# Altium PCB S6.PcbDoc (part 9 of 14)
Units mil, origin at the board's own origin, x right, y up, seen from the top; angles counter-clockwise.
Board outline 5250 x 2929.55 mil, 6 copper layers (Top Layer, Mid-Layer 2, Mid-Layer 4, Mid-Layer 3, Mid-Layer 1, Bottom Layer); 345 components, 365 nets, 2233 pads, 960 vias.
Unrouted connection lines stored in the file: 1.
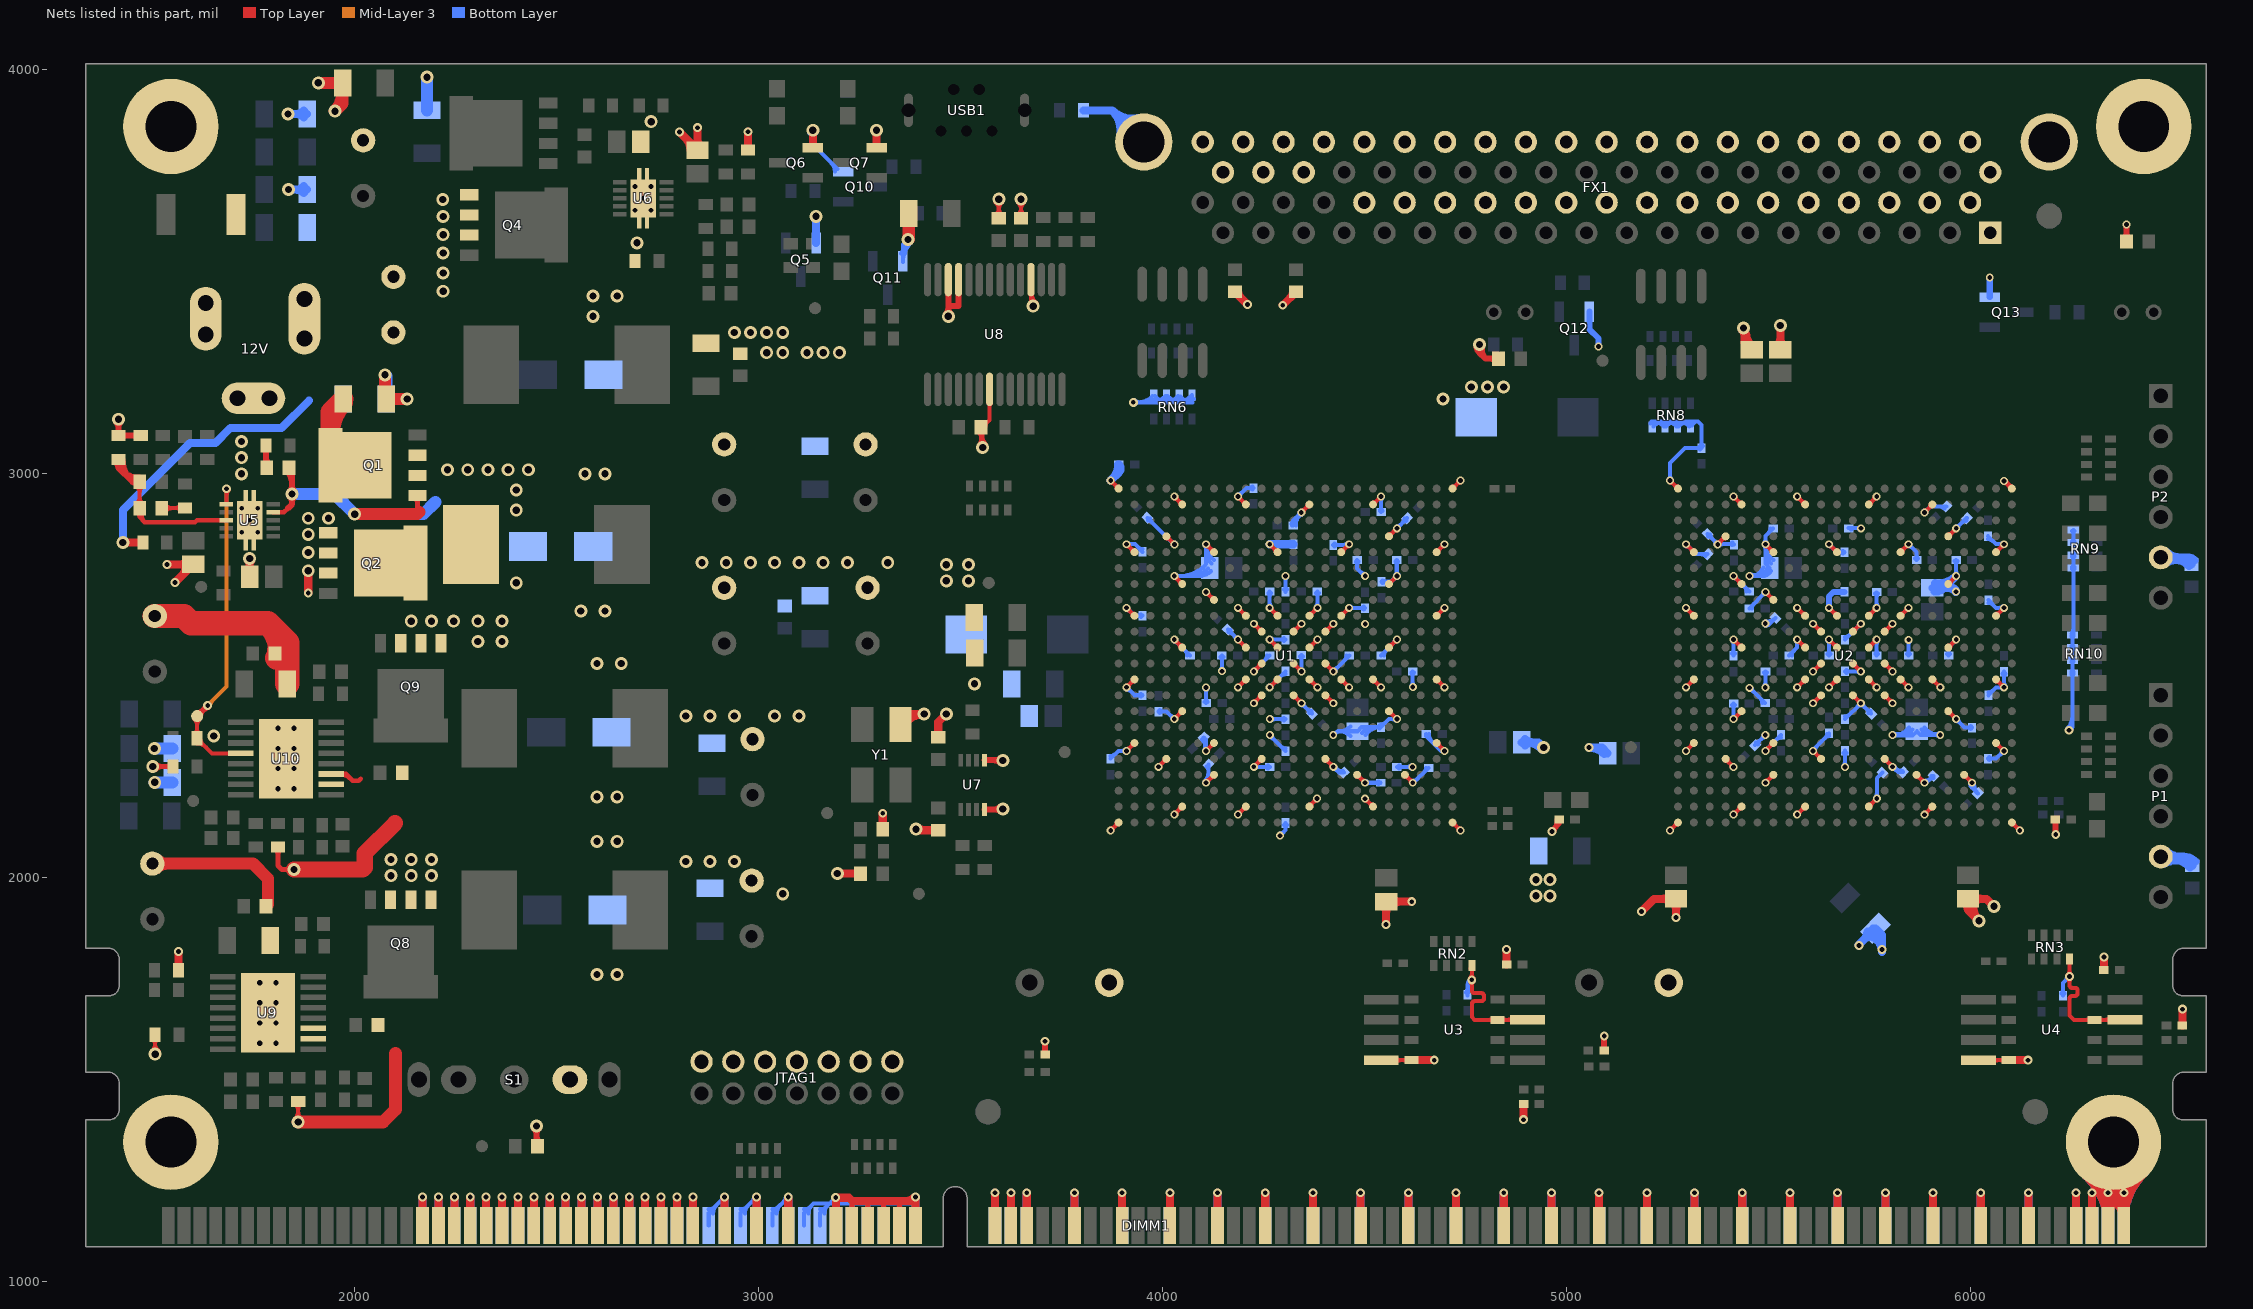
[diagram p13: the nets of this part, all layers, seen from the top]

## Via types
v1: diameter 19.68, hole 11.81, Top Layer to Bottom Layer, tented both sides, 469 vias
v2: diameter 32, hole 18, Top Layer to Bottom Layer, tented both sides, 257 vias
v3: diameter 22, hole 12, Top Layer to Bottom Layer, tented both sides, 185 vias
v4: diameter 25.59, hole 12.99, Top Layer to Bottom Layer, tented bottom, 16 vias
v5: diameter 50, hole 28, Top Layer to Bottom Layer, tented both sides, 15 vias
v6: diameter 23.62, hole 11.81, Top Layer to Bottom Layer, tented bottom, 10 vias
v7: diameter 20, hole 12, Top Layer to Bottom Layer, tented both sides, 5 vias
v8: diameter 21.65, hole 11.81, Top Layer to Bottom Layer, tented both sides, 2 vias
v9: diameter 39.37, hole 39.37, Top Layer to Bottom Layer, 1 vias

## Nets (pads, with @x,y where several pads share a name; then routed paths per layer and width w, separated by ;. In a path a pad name is that pad's centre, name@x,y a point inside that pad or via, vN(x,y) a via of type N, cw(c..) or ccw(c..) an arc to the next point about the centre after c; other vN are vias at no path point) (continued)
GND: (continued)
  Top Layer w40: v2(1850,2020) 2020,2020 2025,2025 2025,2060 2100,2135
  Top Layer w60: C165.2@1505,2647.8 1577.2,2647.8 1595,2630 1785,2630 1833.15,2581.85 ; 1787.66,2627.34 cw(c1717.3,2556.97) C168.1@1816.81,2556.97 ; C168.1@1808.22,2543.89 ccw(c1791.78,2581.85) 1833.15,2581.85 ; C168.1@1812.64,2563.11 cw(c1763.11,2513.59) 1833.15,2513.59 ; C167.1@1833.15,2480 1833.15,2581.85
  Bottom Layer w10: DIMM1.155@2876.72,1138.6 2876.72,1169.68 v3(2916.09,1209.06) ; DIMM1.155@2876.72,1178.87 ccw(c2876.72,1201.06) 2892.41,1185.37 ; DIMM1.155@2887.47,1168.13 cw(c2917.18,1168.13) 2896.17,1189.14 ; v3@2910.09,1209.06 cw(c2895.6,1209.06) 2905.85,1198.81 cw(c2916.09,1188.57) v3@2916.09,1203.06 ; DIMM1.157@2955.46,1138.6 2955.46,1169.68 v3(2994.83,1209.06) ; DIMM1.157@2955.46,1178.87 ccw(c2955.46,1201.06) 2971.15,1185.37 ; DIMM1.157@2966.21,1168.13 cw(c2995.92,1168.13) 2974.91,1189.14 ; v3@2988.83,1209.06 cw(c2974.34,1209.06) 2984.59,1198.81 cw(c2994.83,1188.57) v3@2994.83,1203.06 ; DIMM1.159@3034.2,1138.6 3034.2,1169.68 v3(3073.57,1209.06) ; DIMM1.159@3034.2,1178.87 ccw(c3034.2,1201.06) 3049.89,1185.37 ; DIMM1.159@3044.95,1168.13 cw(c3074.66,1168.13) 3053.65,1189.14 ; v3@3067.57,1209.06 cw(c3053.08,1209.06) 3063.33,1198.81 cw(c3073.57,1188.57) v3@3073.57,1203.06 ; DIMM1.161@3112.94,1138.6 3112.94,1169.68 3136.26,1193 3175.62,1193 ; DIMM1.161@3112.94,1178.87 ccw(c3112.94,1201.06) 3128.63,1185.37 ; DIMM1.161@3123.69,1168.13 cw(c3153.4,1168.13) 3132.39,1189.14 ; v2@3126.56,3842.88 cw(c3107.78,3824.11) 3134.34,3824.11 cw(c3160.89,3824.11) v2@3142.12,3842.88 ; v2(3134.34,3850.66) 3134.34,3815.66 Q10.2@3195.63,3754.37 ; DIMM1.162@3152.31,1138.6 3152.31,1169.68 3175.62,1193 ; DIMM1.162@3152.31,1178.87 ccw(c3152.31,1201.06) 3168,1185.37 ; DIMM1.162@3163.06,1168.13 cw(c3192.77,1168.13) 3171.76,1189.14 ; 3180.17,3769.83 cw(c3158.69,3748.35) Q10.2@3189.07,3748.35 ; 3181.1,1198.1 ccw(c3193.41,1210.41) 3193.41,1193 ; v3@3188.17,1205.17 ccw(c3217.56,1234.56) 3217.56,1193 ; v3@3195.24,1212.24 ccw(c3241.7,1258.7) 3241.7,1193 ; DIMM1.164@3223.7,1175.96 ccw(c3207.76,1192.95) 3231.05,1192.95 ; DIMM1.164@3231.05,1138.6 3231.05,1192.95 ; DIMM1.164@3238.4,1175.96 cw(c3254.34,1192.95) 3231.05,1192.95 ; DIMM1.165@3263.19,1176.08 ccw(c3248.34,1192.42) 3270.42,1192.42 ; DIMM1.165@3270.42,1138.6 3270.42,1192.42 ; DIMM1.165@3277.65,1176.08 cw(c3292.5,1192.42) 3270.42,1192.42 ; DIMM1.166@3302.72,1176.22 ccw(c3289.12,1191.79) 3309.79,1191.79 ; DIMM1.166@3309.79,1138.6 3309.79,1191.79 ; DIMM1.166@3316.86,1176.22 cw(c3330.46,1191.79) 3309.79,1191.79 ; DIMM1.167@3341.99,1176.14 ccw(c3327.66,1192.16) 3349.16,1192.16 ; DIMM1.167@3349.16,1138.6 3349.16,1192.16 ; Q11.2@3352.59,3544.93 ccw(c3340.96,3556.56) 3357.4,3556.56 ccw(c3373.84,3556.56) Q11.2@3362.22,3544.93 ; DIMM1.167@3356.33,1176.14 cw(c3370.66,1192.16) 3349.16,1192.16 ; Q11.2@3357.4,3524.88 cw(c3422.57,3524.88) v2@3377.59,3572.04 ; Q11.2@3357.4,3526.34 3357.4,3567.4 v2(3370,3580) ; Q11.2@3357.4,3548.24 cw(c3400.29,3548.24) v2@3370.69,3579.28 ; 3388.53,1193 3191.68,1193 3175.62,1193 ; C100.1@3872,2294.68 3891.09,2313.78 v1(3911.3,2313.78) ; C100.1@3872,2301.5 ccw(c3872,2317.94) 3883.63,2306.31 ; v1@3907.87,2310.35 ccw(c3899.61,2302.09) 3899.61,2313.78 ccw(c3899.61,2325.47) v1@3907.87,2317.2 ; v1@3911.3,2466.42 cw(c3911.3,2454.73) 3919.56,2462.99 cw(c3927.83,2471.26) v1@3916.14,2471.26 ; v1(3911.3,2471.26) 3930.87,2451.68 C49.1@3951,2451.68 ; v1@3911.3,2663.27 cw(c3911.3,2651.58) 3919.56,2659.84 cw(c3927.83,2668.11) v1@3916.14,2668.11 ; v1(3911.3,2668.11) 3930.72,2648.68 C53.1@3951,2648.68 ; v1(3911.3,2825.59) 3932.09,2825.59 C54.1@3951,2806.68 ; v1@3914.72,2822.17 cw(c3922.99,2813.9) 3922.99,2825.59 cw(c3922.99,2837.28) v1@3914.72,2829.02 ; v3(3928,3177) 4074,3177 ; v3@3932.24,3172.76 cw(c3942.49,3162.51) 3942.49,3177 cw(c3942.49,3191.49) v3@3932.24,3181.24 ; 3939.01,3177 ccw(c3939.01,3229.35) RN6.1@3976.03,3192.33 ; 3939.37,2818.31 ccw(c3951,2829.94) C54.1@3951,2813.5 ; C49.1@3947.58,2448.26 ccw(c3939.31,2439.99) 3939.31,2451.68 ccw(c3939.31,2463.38) C49.1@3947.58,2455.11 ; C53.1@3947.58,2645.26 ccw(c3939.31,2636.99) 3939.31,2648.68 ccw(c3939.31,2660.38) C53.1@3947.58,2652.11 ; C106.1@3962.92,2891.08 4029,2825 v1(4030,2825) ; 3963.15,3177 ccw(c3963.15,3205.21) RN6.1@3983.1,3185.26 ; C106.1@3964.31,2884.85 cw(c3964.31,2873.16) 3972.58,2881.42 cw(c3980.84,2889.69) C106.1@3969.15,2889.69 ; 3970.5,3177 ccw(c3970.5,3229.35) RN6.2@4007.52,3192.33 ; RN6.1@3974.41,3185.26 ccw(c3994.36,3205.21) 3994.36,3177 ; RN6.1@3981.48,3192.33 ccw(c4018.5,3229.35) 4018.5,3177 ; C102.1@3990,2411.32 4010.61,2411.32 v1(4029.41,2392.52) ; C102.1@3993.42,2407.89 cw(c4001.69,2399.62) 4001.69,2411.32 cw(c4001.69,2423.01) C102.1@3993.42,2414.74 ; 3994.65,3177 ccw(c3994.65,3205.21) RN6.2@4014.6,3185.26 ; 4002,3177 ccw(c4002,3229.35) RN6.3@4039.02,3192.33 ; RN6.2@4005.91,3185.26 ccw(c4025.86,3205.21) 4025.86,3177 ; RN6.2@4012.98,3192.33 ccw(c4050,3229.35) 4050,3177 ; 4020.03,2833.97 ccw(c4030,2843.95) v1@4030,2829.84 ; 4022.44,2831.56 cw(c4015.88,2825) v1@4025.16,2825 ; v1@4024.57,2392.52 ccw(c4012.88,2392.52) 4021.14,2400.79 ccw(c4029.41,2409.05) v1@4029.41,2397.36 ; 4026.14,3177 ccw(c4026.14,3205.21) RN6.3@4046.09,3185.26 ; v1@4029.41,2584.53 cw(c4029.41,2573.96) 4036.88,2581.43 ; v1(4029.41,2589.37) 4029.41,2588.91 C98.1@4068.32,2550 ; v1(4029.41,2746.85) C83.1@4097.32,2746.85 ; v1@4032.83,2743.43 cw(c4041.1,2735.16) 4041.1,2746.85 cw(c4041.1,2758.54) v1@4032.83,2750.28 ; 4033.5,3177 ccw(c4033.5,3229.35) RN6.4@4070.52,3192.33 ; v1@4034.25,2589.37 ccw(c4047.06,2589.37) 4038,2580.31 ; RN6.3@4036.77,3186 ccw(c4054.41,3198.78) 4054.41,3177 ; 4042.88,2746.85 ccw(c4042.88,2835.69) C83.1@4105.7,2772.87 ; RN6.3@4044.87,3191.87 ccw(c4074,3212.96) 4074,3177 ; 4056.69,2561.63 cw(c4045.06,2550) C98.1@4061.5,2550 ; 4057.64,3177 ccw(c4057.64,3205.21) RN6.4@4077.59,3185.26 ; 4067.02,2746.85 ccw(c4067.02,2811.54) C83.1@4112.77,2765.8 ; RN6.4@4070.52,3186.88 cw(c4063.93,3180.29) 4073.24,3180.29 cw(c4082.56,3180.29) RN6.4@4075.97,3186.88 ; RN6.4@4073.24,3194.53 4073.24,3177.76 4074,3177 ; 4091.17,2746.85 ccw(c4091.17,2787.4) C83.1@4119.84,2758.73 ; C51.1@4097.57,2342.57 cw(c4072.02,2317.02) v1@4108.15,2317.02 ; C51.1@4102.38,2347.38 4108.15,2341.62 v1(4108.15,2313.78) ; v1@4103.95,2316.2 ccw(c4091.35,2323.48) 4105.41,2327.25 ; v1@4104.72,2238.46 ccw(c4082.54,2260.65) 4113.92,2260.65 ; v1@4104.72,2317.2 ccw(c4096.46,2325.47) 4108.15,2325.47 ccw(c4119.84,2325.47) v1@4111.57,2317.2 ; v1@4104.72,2467.58 cw(c4096.06,2458.91) 4108.32,2458.91 ; v1@4104.72,2822.17 cw(c4096.46,2813.9) 4108.15,2813.9 cw(c4119.84,2813.9) v1@4111.57,2822.17 ; C96.1@4104.89,2435.42 ccw(c4096.62,2443.69) 4108.32,2443.69 ccw(c4120.01,2443.69) C96.1@4111.74,2435.42 ; v1@4105.73,2821.4 cw(c4099.88,2811.28) 4111.17,2814.3 cw(c4122.47,2817.32) v1@4112.34,2823.17 ; v1(4108.15,2235.04) 4113.92,2240.81 C129.1@4113.92,2280.18 ; C83.1@4108.15,2776.32 v1(4108.15,2825.59) ccw(c4157.91,2825.59) C83.1@4127.61,2786.12 ; 4108.15,2805.31 ccw(c4142.34,2805.31) C83.1@4121.52,2778.18 ; C96.1@4108.31,2432 v1@4108.31,2469.68 ; 4108.32,2459.71 cw(c4119.44,2459.71) v1@4111.57,2467.58 ; C129.1@4109.1,2275.36 cw(c4097.47,2263.73) 4113.92,2263.73 ; v1@4143.89,2514.74 ccw(c4135.62,2523.01) 4147.32,2523.01 ccw(c4159.01,2523.01) v1@4150.74,2514.74 ; C90.1@4143.89,2546.58 cw(c4135.62,2538.31) 4147.32,2538.31 cw(c4159.01,2538.31) C90.1@4150.74,2546.58 ; v1(4147.31,2511.32) C90.1@4147.31,2550 ; C97.1@4161.92,2614.08 v1@4186.63,2589.37 ; C97.1@4163.31,2607.85 cw(c4163.31,2596.16) 4171.58,2604.42 cw(c4179.84,2612.69) C97.1@4168.15,2612.69 ; 4178.18,2597.82 ccw(c4186.89,2606.53) v1@4186.89,2594.21 ; 4178.81,2597.19 cw(c4170.98,2589.37) v1@4182.05,2589.37 ; v1(4186.89,2943.7) 4207.87,2964.68 C109.1@4226,2964.68 ; v1@4186.89,2948.54 ccw(c4186.89,2960.24) 4195.16,2951.97 ccw(c4203.42,2943.7) v1@4191.73,2943.7 ; C109.1@4222.58,2961.26 ccw(c4214.31,2952.99) 4214.31,2964.68 ccw(c4214.31,2976.38) C109.1@4222.58,2968.11 ; v1(4226.26,2274.41) C131.1@4265.91,2274.41 ; v1(4226.26,2510.63) 4265.63,2550 C88.1@4265.69,2550 ; v1@4226.26,2515.47 ccw(c4226.26,2527.16) 4234.53,2518.9 ccw(c4242.79,2510.63) v1@4231.1,2510.63 ; v1@4229.68,2270.98 cw(c4237.95,2262.72) 4237.95,2274.41 cw(c4237.95,2286.1) v1@4229.68,2277.83 ; 4251.67,2274.41 cw(c4251.67,2261.32) C131.1@4260.92,2270.58 ; 4253.64,2274.41 ccw(c4253.64,2284.7) C131.1@4260.92,2277.42 ; 4254.1,2538.47 ccw(c4242.56,2550) C88.1@4258.87,2550 ; v1@4262.2,2671.54 ccw(c4253.8,2679.94) 4265.68,2679.94 ; C93.1@4262.26,2704.58 cw(c4253.99,2696.31) 4265.69,2696.31 cw(c4277.38,2696.31) C93.1@4269.11,2704.58 ; v1@4265.31,2392.32 C95.1@4305,2392.32 ; v1(4265.63,2471.26) v1(4265.63,2471.26) C89.1@4305,2510.68 ; v1@4265.63,2476.1 ccw(c4265.63,2487.66) 4273.8,2479.49 ; v1(4265.63,2589.37) 4265.69,2589.32 C86.1@4305,2589.32 ; v1(4265.63,2668.11) 4265.69,2668.17 C93.1@4265.69,2708 ; 4265.68,2679.67 ccw(c4277.18,2679.67) v1@4269.05,2671.54 ; v1@4266,2348.16 cw(c4266,2338.12) 4273.1,2345.22 ; v1@4266.32,2352 C50.1@4305,2313.32 ; v1@4269.05,2585.95 cw(c4277.18,2577.82) 4277.18,2589.32 ; v1@4269.05,2592.8 ccw(c4277.46,2601.2) 4277.46,2589.32 ; v1@4269.42,2389.58 cw(c4276.04,2382.96) 4276.04,2392.32 ; v1@4269.42,2396.42 ccw(c4279.34,2406.34) 4279.34,2392.32 ; v1@4270.47,2471.26 cw(c4282.3,2471.26) 4273.93,2479.62 ; v1@4270.84,2353 ccw(c4284.19,2353) 4274.75,2343.56 ; v1(4291,2104) 4305,2118 C125.1@4305,2135.32 ; v1@4291,2108.84 ccw(c4291,2120.53) 4299.27,2112.27 ccw(c4307.53,2104) v1@4295.84,2104 ; 4293.37,2324.94 ccw(c4305,2336.57) C50.1@4305,2320.13 ; 4293.37,2499.06 cw(c4305,2487.43) C89.1@4305,2503.87 ; C125.1@4301.58,2129.92 cw(c4293.31,2121.66) 4305,2121.66 cw(c4316.69,2121.66) C125.1@4308.42,2129.92 ; C95.1@4301.58,2388.89 ccw(c4293.31,2380.62) 4293.31,2392.32 ccw(c4293.31,2404.01) C95.1@4301.58,2395.74 ; C86.1@4301.58,2585.89 ccw(c4293.31,2577.62) 4293.31,2589.32 ccw(c4293.31,2601.01) C86.1@4301.58,2592.74 ; C94.1@4301.58,2713.08 ccw(c4293.31,2721.34) 4305,2721.34 ccw(c4316.69,2721.34) C94.1@4308.42,2713.08 ; v1@4301.58,2743.58 cw(c4293.31,2735.31) 4305,2735.31 cw(c4316.69,2735.31) v1@4308.42,2743.58 ; C94.1@4305,2707.68 v1(4305,2747) ; C114.1@4320.28,2875.44 ccw(c4311.51,2884.31) 4323.98,2884.31 ; C114.1@4320.5,2872 cw(c4341.81,2872) 4326.74,2887.07 ; C114.1@4323.98,2872.3 4323.98,2884.32 ; 4323.98,2882.97 ccw(c4334.65,2882.97) C114.1@4327.11,2875.42 ; C114.1@4330.5,2872 cw(c4375.95,2872) v1@4343.81,2904.14 ; 4338.01,2894.09 cw(c4348.34,2888.13) v1@4345.25,2899.65 ; 4338.18,2894.39 ccw(c4328.26,2900.11) v1@4339.32,2903.08 ; v1@4339.16,2904.33 cw(c4327.47,2904.33) 4335.73,2896.06 cw(c4344,2887.8) v1@4344,2899.49 ; C85.1@4340.89,2547.58 cw(c4332.62,2539.31) 4344.32,2539.31 cw(c4356.01,2539.31) C85.1@4347.74,2547.58 ; v1@4340.95,2514.05 ccw(c4332.82,2522.18) 4344.32,2522.18 ; v1(4344,2904.33) 4323.98,2884.32 ; v1@4344.31,2510.69 C85.1@4344.31,2551 ; 4344.31,2522.46 ccw(c4356.2,2522.46) v1@4347.8,2514.05 ; v1@4344.37,2427.05 cw(c4344.37,2415.98) 4352.19,2423.81 ; v1(4344.37,2431.89) 4344.37,2431.63 C91.1@4370.08,2405.92 ; v1@4349.21,2431.89 ccw(c4361.53,2431.89) 4352.82,2423.18 ; C91.1@4363.85,2407.31 ccw(c4352.16,2407.31) 4360.42,2415.58 ccw(c4368.69,2423.84) C91.1@4368.69,2412.15 ; C92.1@4380.26,2704.58 cw(c4371.99,2696.31) 4383.69,2696.31 cw(c4395.38,2696.31) C92.1@4387.11,2704.58 ; v1@4380.32,2671.54 ccw(c4372.19,2679.67) 4383.69,2679.67 ; 4383.68,2679.94 ccw(c4395.57,2679.94) v1@4387.17,2671.54 ; C92.1@4383.69,2708 4383.69,2668.17 v1(4383.74,2668.11) ; C108.1@4423,2823.68 4460.57,2823.68 v1(4462.48,2825.59) ; v1@4423.07,2357.84 ccw(c4423.29,2373.65) 4434.47,2362.47 ; v1@4423.11,2269.57 cw(c4423.11,2257.88) 4431.38,2266.14 cw(c4439.64,2274.41) v1@4427.95,2274.41 ; v1(4423.11,2274.41) 4437.44,2260.08 R2.1@4449.08,2260.08 ; v1(4423.11,2510.63) 4423.31,2510.63 C87.1@4462.69,2550 ; v1@4423.11,2515.47 ccw(c4423.11,2527.65) 4431.72,2519.04 ; v1@4424.3,2273.22 ccw(c4447.69,2296.61) R2.1@4447.69,2263.53 ; v1@4424.36,2269.73 cw(c4427.01,2259.88) 4432.11,2268.71 ; v1@4426,2354 4434.47,2362.47 ; C108.1@4426.42,2820.26 cw(c4434.69,2811.99) 4434.69,2823.68 cw(c4434.69,2835.38) C108.1@4426.42,2827.11 ; v1@4427.79,2275.66 ccw(c4440.52,2279.07) 4433.93,2267.66 ; v1@4427.95,2510.63 cw(c4439.16,2510.63) 4431.23,2518.55 ; 4446.19,2823.68 ccw(c4446.19,2841.89) v1@4459.06,2829.02 ; 4451.06,2538.37 ccw(c4439.43,2550) C87.1@4455.87,2550 ; v1@4463.28,2667.32 C62.1@4502,2667.32 ; C82.1@4465.32,2350.7 ccw(c4436.89,2322.27) 4436.89,2362.47 ccw(c4436.89,2402.68) C82.1@4465.32,2374.25 ; v1@4465.91,2671.54 ccw(c4476.09,2681.72) 4476.09,2667.32 ; C58.1@4478.89,2782.58 cw(c4470.62,2774.31) 4482.32,2774.31 cw(c4494.01,2774.31) C58.1@4485.74,2782.58 ; C58.1@4482.31,2786 4482.31,2765.68 v1@4502,2746 ; 4492.03,2755.97 ccw(c4502,2765.95) v1@4502,2751.84 ; C82.1@4494.33,2358.61 cw(c4521.61,2339.2) 4521.61,2372.69 ; 4494.44,2753.56 cw(c4487.88,2747) v1@4497.16,2747 ; C62.1@4498.58,2663.89 ccw(c4490.31,2655.62) 4490.31,2667.32 ccw(c4490.31,2679.01) C62.1@4498.58,2670.74 ; v1(4501.85,2235.04) v1(4501.85,2235.04) C77.1@4540.31,2235 ; C82.1@4502.47,2352.82 cw(c4541,2325.4) C103.1@4541,2372.68 ; v1@4505.28,2231.61 cw(c4513.45,2223.44) 4513.45,2235 ; v1@4505.28,2238.46 ccw(c4513.64,2246.82) 4513.64,2235 ; C77.1@4534.92,2231.58 ccw(c4526.66,2223.31) 4526.66,2235 ccw(c4526.66,2246.69) C77.1@4534.92,2238.42 ; C103.1@4537.58,2369.26 ccw(c4529.31,2360.99) 4529.31,2372.68 ccw(c4529.31,2384.38) C103.1@4537.58,2376.11 ; v1@4537.8,2940.28 cw(c4528.41,2930.89) 4541.68,2930.89 ; C59.1@4538.26,2908.42 ccw(c4529.99,2916.69) 4541.69,2916.69 ccw(c4553.38,2916.69) C59.1@4545.11,2908.42 ; C103.1@4541,2379.5 ccw(c4541,2395.94) 4552.63,2384.31 ; v1(4541.22,2943.7) 4541.69,2943.24 C59.1@4541.69,2905 ; C99.1@4541.69,2550 4541.69,2550.46 v1(4580.59,2589.37) ; 4541.69,2933.13 cw(c4551.79,2933.13) v1@4544.65,2940.28 ; C105.1@4542,2732.68 4566.43,2732.68 v1(4580.59,2746.85) 4580.31,2747.13 C104.1@4580.31,2786 ; C105.1@4545.42,2729.26 cw(c4553.69,2720.99) 4553.69,2732.68 cw(c4553.69,2744.38) C105.1@4545.42,2736.11 ; C99.1@4548.5,2550 cw(c4566.06,2550) 4553.64,2562.42 ; v1@4575.75,2589.37 cw(c4564.06,2589.37) 4572.32,2581.1 cw(c4580.59,2572.84) v1@4580.59,2584.53 ; v1@4575.75,2746.85 cw(c4564.06,2746.85) 4572.32,2738.58 cw(c4580.59,2730.32) v1@4580.59,2742.01 ; C104.1@4576.89,2782.58 cw(c4568.62,2774.31) 4580.32,2774.31 cw(c4592.01,2774.31) C104.1@4583.74,2782.58 ; v1@4577.17,2389.09 ccw(c4568.9,2380.83) 4568.9,2392.52 ccw(c4568.9,2404.21) v1@4577.17,2395.94 ; v1@4577.17,2750.28 ccw(c4569.57,2757.87) 4580.31,2757.87 ; 4580.31,2759.21 ccw(c4592.95,2759.21) v1@4584.02,2750.28 ; v1(4580.59,2392.52) 4560.83,2392.52 C103.1@4541,2372.68 ; v1(4580.59,2864.96) 4605.71,2890.08 C61.1@4606.08,2890.08 ; v1@4580.59,2869.8 ccw(c4580.59,2881.49) 4588.86,2873.23 ccw(c4597.12,2864.96) v1@4585.43,2864.96 ; C130.1@4580.69,2274 v1(4619,2274) ; C130.1@4586.08,2270.58 cw(c4594.34,2262.31) 4594.34,2274 cw(c4594.34,2285.69) C130.1@4586.08,2277.42 ; 4595.79,2880.16 cw(c4604.69,2871.26) C61.1@4604.69,2883.85 ; 4596.68,2881.05 ccw(c4589.05,2888.69) C61.1@4599.85,2888.69 ; v1@4615.58,2270.58 ccw(c4607.31,2262.31) 4607.31,2274 ccw(c4607.31,2285.69) v1@4615.58,2277.42 ; C57.1@4616.26,2507.58 cw(c4607.99,2499.31) 4619.69,2499.31 cw(c4631.38,2499.31) C57.1@4623.11,2507.58 ; v1@4616.58,2475.42 ccw(c4609.07,2482.93) 4619.68,2482.93 ; v1@4619.69,2472.68 C57.1@4619.69,2511 ; 4619.68,2484.45 ccw(c4632.45,2484.45) v1@4623.42,2475.42 ; v1(4619.96,2235.04) 4622.35,2235.04 C52.1@4659.31,2272 ; v1@4619.96,2239.88 ccw(c4619.96,2257.35) 4632.31,2245 ; 4647.69,2260.37 ccw(c4636.06,2272) C52.1@4652.5,2272 ; C101.1@4653.31,2356 4653.31,2350.68 4690.22,2313.78 v1(4698.7,2313.78) ; C101.1@4660.13,2356 ccw(c4689.4,2356) 4668.7,2335.3 ; 4675.96,2328.04 ccw(c4698.7,2350.79) v1@4698.7,2318.62 ; RN8.4@5208.41,3124.74 cw(c5221.12,3112.03) 5221.12,3130 ; 5211,3130 5326,3130 ; 5211.75,3130 cw(c5211.75,3087.89) RN8.3@5241.52,3117.67 ; RN8.4@5215.48,3117.67 cw(c5245.26,3087.89) 5245.26,3130 ; 5235.89,3130 cw(c5235.89,3112.03) RN8.3@5248.59,3124.74 ; RN8.3@5239.91,3124.74 cw(c5252.62,3112.03) 5252.62,3130 ; 5243.24,3130 cw(c5243.24,3087.89) RN8.2@5273.02,3117.67 ; RN8.3@5246.98,3117.67 cw(c5276.76,3087.89) 5276.76,3130 ; v1@5253.5,2986.5 ccw(c5245.24,2994.76) 5256.93,2994.76 ccw(c5268.62,2994.76) v1@5260.35,2986.5 ; v1(5256.93,2983.07) 5256.93,3026.93 5293.69,3063.68 R10.1@5335,3063.68 5335,3121 5326,3130 ; 5267.38,3130 cw(c5267.38,3112.03) RN8.2@5280.09,3124.74 ; RN8.2@5271.4,3124.74 cw(c5284.11,3112.03) 5284.11,3130 ; 5274.74,3130 cw(c5274.74,3087.89) RN8.1@5304.52,3117.67 ; RN8.2@5278.48,3117.67 cw(c5308.25,3087.89) 5308.25,3130 ; v1@5296.3,2820.75 cw(c5296.3,2809.06) 5304.56,2817.32 cw(c5312.83,2825.59) v1@5301.14,2825.59 ; v1(5296.3,2825.59) 5320.97,2800.92 C60.1@5349.92,2800.92 ; 5298.88,3130 cw(c5298.88,3112.03) RN8.1@5311.59,3124.74 ; RN8.1@5301.42,3122.36 cw(c5312.07,3118.76) 5312.07,3130 ; RN8.1@5310.9,3119.16 cw(c5326,3114.06) 5326,3130 ; R10.1@5331.58,3060.26 ccw(c5323.31,3051.99) 5323.31,3063.68 ccw(c5323.31,3075.38) R10.1@5331.58,3067.11 ; R10.1@5331.58,3069.08 ccw(c5323.31,3077.34) 5335,3077.34 ccw(c5346.69,3077.34) R10.1@5338.42,3069.08 ; 5333.48,2800.92 cw(c5333.48,2784.48) C60.1@5345.1,2796.1 ; C121.1@5349.92,2851.08 5375,2826 5413.68,2826 C115.1@5415,2824.68 ; C121.1@5351.31,2844.85 cw(c5351.31,2833.16) 5359.58,2841.42 cw(c5367.84,2849.69) C121.1@5356.15,2849.69 ; 5366.03,2834.97 cw(c5356.05,2825) v1@5370.16,2825 ; 5368.44,2832.56 ccw(c5375,2839.12) v1@5375,2829.84 ; v1@5378.42,2821.58 cw(c5389.1,2810.89) 5389.1,2826 ; 5401.73,2826 ccw(c5401.73,2839.92) C115.1@5411.58,2830.08 ; 5404.89,2826 cw(c5404.89,2816.54) C115.1@5411.58,2823.23 ; C118.1@5410.58,2555.08 ccw(c5402.31,2563.34) 5414,2563.34 ccw(c5425.69,2563.34) C118.1@5417.42,2555.08 ; C116.1@5410.89,2427.58 cw(c5402.4,2419.08) 5414.41,2419.08 ; v1@5410.98,2395.94 ccw(c5402.72,2404.21) 5414.41,2404.21 ccw(c5426.1,2404.21) v1@5417.83,2395.94 ; v1@5410.98,2585.95 cw(c5403.7,2578.67) 5414,2578.67 ; C118.1@5414,2549.68 5414,2588.96 v1(5414.41,2589.37) ; 5414,2576.69 cw(c5427.09,2576.69) v1@5417.83,2585.95 ; C116.1@5414.31,2431 5414.41,2430.91 v1(5414.41,2392.52) ; 5414.41,2419.53 cw(c5425.78,2419.53) C116.1@5417.74,2427.58 ; v1@5414.41,2742.01 cw(c5414.41,2729.29) 5423.4,2738.28 ; v1(5414.41,2746.85) 5414.83,2746.85 C119.1@5453.69,2708 ; v1@5419.25,2746.85 ccw(c5429.92,2746.85) 5422.37,2739.31 ; 5442.06,2719.63 cw(c5430.43,2708) C119.1@5446.87,2708 ; C143.1@5453.31,2667 5493.15,2706.83 v1(5493.15,2707.48) ; v1@5454,2465.16 cw(c5454,2452.71) 5462.8,2461.51 ; v1@5455,2469.31 C150.1@5492.31,2432 ; v1@5456.42,2751.19 ccw(c5463.15,2762.85) 5466.63,2749.85 ; v1@5457.42,2743.58 cw(c5465.69,2735.31) 5465.69,2747 cw(c5465.69,2758.69) v1@5457.42,2750.42 ; v1@5458.19,2744.58 cw(c5466.79,2739.62) 5464.22,2749.2 ; v1@5458.84,2470 ccw(c5469.77,2470) 5462.04,2462.27 ; C143.1@5460.13,2667 cw(c5476.57,2667) 5464.94,2678.63 ; C110.1@5467.92,2327.92 v1(5493,2353) ; C110.1@5469.31,2334.15 ccw(c5469.31,2345.84) 5477.58,2337.58 ccw(c5485.84,2329.31) C110.1@5474.15,2329.31 ; 5471.44,2747 ccw(c5471.44,2775.45) C138.1@5497.4,2763.82 ; 5480.69,2443.63 cw(c5469.06,2432) C150.1@5485.5,2432 ; 5484.42,2698.11 ccw(c5475.05,2707.48) v1@5488.31,2707.48 ; 5485.99,2699.67 cw(c5493.15,2692.51) v1@5493.15,2702.64 ; C138.1@5486.88,2747 ccw(c5486.88,2768.53) C138.1@5506.53,2759.73 ; v1@5488.16,2353 cw(c5476.47,2353) 5484.73,2344.73 cw(c5493,2336.47) v1@5493,2348.16 ; C138.1@5488.27,2767.9 cw(c5456,2782.36) 5456,2747 5483.47,2747 C138.1@5503.47,2767 5493.15,2777.32 v1(5493.15,2825.59) ; v1@5489.58,2474.42 ccw(c5480.55,2483.45) 5493.32,2483.45 ; v1@5489.72,2822.17 cw(c5481.46,2813.9) 5493.15,2813.9 cw(c5504.84,2813.9) v1@5496.57,2822.17 ; v1@5489.72,2829.02 ccw(c5481.46,2837.28) 5493.15,2837.28 ccw(c5504.84,2837.28) v1@5496.57,2829.02 ; C148.1@5489.89,2507.58 cw(c5481.62,2499.31) 5493.32,2499.31 cw(c5505.01,2499.31) C148.1@5496.74,2507.58 ; v1@5490.73,2821.4 cw(c5484.88,2811.27) 5496.17,2814.3 cw(c5507.47,2817.32) v1@5497.34,2823.17 ; v1@5492.59,2623.86 ccw(c5493.62,2636.75) 5502.77,2627.61 ; v1(5493.15,2313.78) 5493.15,2314.83 C124.1@5532,2353.68 ; v1@5493.15,2318.62 ccw(c5493.15,2327.76) 5499.61,2321.3 ; 5493.15,2806.06 ccw(c5527.36,2806.06) C138.1@5507.36,2778.3 ; v1@5493.31,2470.32 C148.1@5493.31,2511 ; 5493.32,2481.93 ccw(c5503.93,2481.93) v1@5496.42,2474.42 ; 